# Allegro board BeagleBone AI -64_PCB_V1.02_211119.brd (continued)
## Routing (per net, layer and track width the routed paths; a pad name or vN(x,y) marks a point on that pad's centre or on a via; arc(x,y) is an arc through that point) (continued)
RT_LM5141: length 1.7
  BOTTOM w0.203: R59.1 15.26,14.69 15.41,14.54 U3.4
RX_CLK: length 1.7
  TOP w0.165: R216.2 -26.22,32.59 -26.28,32.65 U15.32
RX_CTRL: length 3.6
  TOP w0.165: R205.2 -26.86,36.95 R204.2 R195.1 -28.59,36.45 -28.72,36.32 U15.38
RX_D0: length 1.7
  TOP w0.165: U15.33 -26.37,33.15 -26.22,33.29 R215.2
RX_D1: length 1.8
  TOP w0.165: R214.2 -25.87,33.95 -26.14,33.68 -26.16,33.68 -26.2,33.65 U15.34
RX_D2: length 1.9
  TOP w0.165: R213.2 -25.87,34.73 -26.45,34.15 U15.35
RX_D3: length 2
  TOP w0.165: R212.2 -25.87,35.49 -26.71,34.65 U15.36
RXD: length 2
  TOP w0.165: U31.6 51.1,39.79 51.16,39.73 v1(51.16,39.47)
  BOTTOM w0.165: R373.2 50.98,39.98 51.18,39.78 51.18,39.55 51.16,39.52 v1(51.16,39.47)
SD_CLK: length 23.7
  TOP w0.165: v1(-28.62,54.87) -28.88,54.87 -29.79,55.78 D23.2 -30.18,55.42 J12.5
  BOTTOM w0.165: R122.2 -21.13,47.86 -21.37,48.1 -22.08,48.1 -22.24,47.93 -22.24,47.49 -22.41,47.32 -22.74,47.32 -22.9,47.49 -23.55,47.49 -23.74,47.3 -23.74,46.23 -23.9,46.08 -24.38,46.08 -24.61,46.31 -24.61,48.41 -24.43,48.59 -23.9,48.59 -23.56,48.92 -23.56,49.58 -24.53,50.55 -24.53,52.45 -25.27,53.19 -26.26,53.19 -26.57,53.49 -26.92,53.49 -27.24,53.18 -27.85,53.18 -28.17,53.51 -28.17,54.42 v1(-28.62,54.87)
SD_DAT0: length 5.4
  TOP w0.165: R198.2 -28.16,54.02 -28.54,53.65 -29.05,53.65 -29.43,54.03 R188.2 -29.62,53.87 D28.2 -30.08,53.19 -30.11,53.22 J12.7
SD_DAT1: length 4.5
  TOP w0.165: J12.8 -30.11,52.12 -30.08,52.15 D29.2 -29.43,51.97 R189.2 R190.2
SD_DAT2: length 6.5
  TOP w0.165: -27.91,59.75 R201.2 ; -27.91,59.75 -27.91,59.77 -28.37,60.22 -29.16,60.22 D25.2 -30.08,59.77 -30.14,59.82 J12.1 ; -27.91,59.75 -27.51,60.15 -27.11,60.15 -26.71,59.75 R207.2
SD_DAT3: length 6.6
  TOP w0.165: R208.2 -26.71,58.79 -27.09,59.16 -27.54,59.16 -27.91,58.79 ; -27.91,58.79 R202.2 ; -27.91,58.79 -28.33,59.21 -29.16,59.21 D26.2 -30.08,58.75 -30.26,58.93 -30.57,58.93 -30.78,58.72 J12.2
SERDES0_REXT: length 0.6
  TOP w0.229: U19.AE18 -8.69,57.19 v1(-9.09,57.59)
SERDES1_REXT: length 0.6
  TOP w0.229: U19.AE13 -4.69,57.19 v1(-4.29,57.59)
SERDES2_REXT: length 1.2
  TOP w0.229: v1(-4.29,56.79) -4.69,56.39 U19.AD13
  BOTTOM w0.254: v1(-4.29,56.79) -4.34,56.83 R97.1
SERDES3_REXT: length 0.6
  TOP w0.229: v1(-0.29,57.59) -0.29,57.58 U19.AE8
SERDES4_REXT: length 0.6
  TOP w0.229: v1(-1.09,41.58) -1.49,41.98 U19.F9
SOC_EMU0: length 35.5
  TOP w0.229: v1(-15.49,39.18) -15.09,39.58 U19.C26
  L5-SIGNAL w0.102: v1(-34.66,36.09) -34.38,35.81 -33.69,35.81 -32.26,37.24 -27.58,37.24 -26.7,36.36 -25.89,36.36 -25.62,36.09 -22.56,36.09 -21.64,37.01 -19.53,37.01 v1(-19.25,36.72)
  L12-SIGNAL w0.102: v1(-15.49,39.18) -16.78,37.9 -18.54,37.9 -19.25,37.19 v1(-19.25,36.72)
  BOTTOM w0.165: v1(-34.66,36.09) -34.97,35.79 -36.45,35.79 -38.68,38.03 R228.2 -39.73,40.22 -40.51,41 v1(-43.83,41)
SOC_EMU1: length 34.5
  TOP w0.229: U19.B29 -17.49,38.78 v1(-17.89,38.38)
  L5-SIGNAL w0.102: v1(-36.19,36.3) -35.88,36.6 -33.22,36.6 -32.35,37.47 -26.38,37.47 -25.95,37.03 -24.5,37.03 -23.79,36.32 -23.29,36.32 -22.6,37.01 -21.96,37.01 -21.6,37.38 -18.9,37.38 v1(-17.89,38.38)
  BOTTOM w0.165: v1(-43.76,44.81) -42.39,43.44 R229.2 -38.68,42.19 -37.59,41.1 -37.59,37.7 v1(-36.19,36.3)
SOC_INT1Z: length 32.5
  TOP w0.229: U19.AC18 -8.69,55.59 v1(-9.09,55.99)
  L12-SIGNAL w0.102: v1(-9.09,55.99) -8.7,56.38 -5.33,56.38 -4.52,57.19 -4.13,57.19 -3.88,57.44 -3.88,57.75 -3.65,57.98 -2.53,57.98 -2.28,57.74 -2.28,57.42 -2.04,57.18 -1.73,57.18 -1.48,56.94 -1.48,56.62 -1.24,56.38 -0.13,56.38 0.1,56.15 0.1,55.84 0.35,55.59 2.27,55.59 2.52,55.84 2.52,56.15 2.75,56.38 5.5,56.38 7.14,54.74 14.27,54.74 14.62,55.1 14.62,56.15 14.84,56.36 14.84,58.35 v1(14.13,59.06)
SOC_INT2Z: length 3.7
  TOP w0.165: U19.F29 -17.78,41.69 -19.61,41.69 -20.3,41 -20.32,41 -20.59,40.73 R272.2
  TOP w0.229: -17.49,41.98 U19.F29 -17.49,41.98
SOC_PORZ_OUT: length 25
  TOP w0.229: v1(5.31,51.19) 4.91,50.79 U19.U1
  BOTTOM w0.165: v1(5.31,51.19) 6.48,51.19 7.8,49.86 7.8,37.36 8.44,36.73 11.84,36.73 13.06,35.51 13.06,32.95 13.19,32.82 R68.1
SOC_RESET_REQZ: length 5.4
  TOP w0.229: U19.C28 -16.69,39.58 v1(-17.09,39.18)
  L3-SIGNAL w0.102: v1(-17.72,35.5) -17.72,36.04 -17.09,36.67 v1(-17.09,39.18)
  BOTTOM w0.165: R104.1 -17.44,35.2 -17.72,35.49 v1(-17.72,35.5)
SOC_SAFETY_ERRZ: length 49.6
  TOP w0.165: v1(44.13,58.52) 44.13,58.51 U30.46
  TOP w0.229: U19.U4 2.91,51.18 v1(2.91,51.19)
  L10-SIGNAL w0.102: v1(44.13,58.52) 41.72,56.11 37.37,56.11 36.84,55.58 34.25,55.58 33.23,56.59 32.34,56.59 32.01,56.92 18.37,56.92 17.63,57.66 16.27,57.66 15.87,57.25 14.08,57.25 13.87,57.46 12.12,57.46 11.82,57.15 11.31,57.15 10.98,57.48 7.83,57.48 7.12,56.77 7.12,53.67 5.83,52.38 4.35,52.38 4.1,52.14 4.1,51.82 3.87,51.59 3.56,51.59 3.15,51.19 v1(2.91,51.19)
SOC_SERDES1_REFCLK_N: length 8.4
  TOP w0.119: v1(-5.89,57.59) -5.49,57.19 U19.AE14
  BOTTOM w0.106: v1(-5.89,57.59) -5.89,57.83 arc(-5.86,57.9) -5.78,57.93 -5.72,57.93 arc(-5.64,57.9) -5.61,57.83 arc(-5.59,57.75) -5.54,57.7 -5.51,57.7 arc(-5.44,57.71) -5.38,57.75 -5.1,58.03 arc(-5.06,58.09) -5.04,58.17 -5.04,58.45 -5.15,58.55 -5.25,58.55 -5.35,58.66 -5.35,58.87 -5.25,58.98 -5.15,58.98 -5.04,59.08 -5.04,59.99 -5.15,60.09 -5.37,60.09 -5.48,60.2 -5.48,60.41 -5.37,60.52 -5.15,60.52 -5.04,60.62 -5.04,61.3 arc(-4.98,61.6) -4.82,61.86 -4.56,62.11 arc(-4.51,62.19) -4.49,62.28 -4.49,62.39 -4.2,62.68 -4.2,62.84 -4.41,63.05 R95.1
SOC_SERDES1_REFCLK_P: length 8.5
  TOP w0.119: v1(-6.69,56.79) -6.29,56.39 U19.AD15
  BOTTOM w0.106: R93.1 -3.71,63.06 -3.93,62.84 -3.93,62.57 -4.23,62.28 -4.23,62.28 arc(-4.26,62.08) -4.37,61.92 -4.63,61.67 arc(-4.74,61.5) -4.78,61.31 -4.78,58.07 arc(-4.79,57.98) -4.85,57.91 -5.38,57.38 arc(-5.61,57.22) -5.87,57.17 -6.04,57.17 arc(-6.29,57.12) -6.5,56.98 v1(-6.69,56.79)
SOC_TCK: length 30.8
  TOP w0.114: v1(-40.86,38.99) -42.23,40.36 -44.41,40.36 J11.4
  TOP w0.165: R165.2 -40.68,38.81 v1(-40.86,38.99)
  TOP w0.229: v1(-17.89,40.78) -17.49,41.18 U19.E29
  L3-SIGNAL w0.102: v1(-22.73,38.48) -22.55,38.48 -21.75,39.28 -19.82,39.28 -18.32,40.78 v1(-17.89,40.78)
  L5-SIGNAL w0.102: v1(-40.86,38.99) -40.57,39.28 -27.41,39.28 -27.2,39.07 -26.36,39.07 -25.77,38.48 v1(-22.73,38.48)
SOC_TDI: length 137.7
  TOP w0.229: U19.V1 5.31,51.98 v1(5.31,51.99)
  L10-SIGNAL w0.102: v1(14.1,33.07) 14.43,32.74 14.43,30.27 14.42,30.25 14.42,29.95 14.43,29.94 14.43,27.28 15.58,26.14 15.58,18.42 14.81,17.65 14.81,14.4 14.26,13.85 v1(14.26,8.33) ; v1(-43.78,42.27) -41.78,40.26 -41.78,37.24 -39.9,35.37 -39.9,29.36 -38.99,28.46 -38.99,18.05 v1(-37.53,16.59)
  L12-SIGNAL w0.102: v1(-37.53,16.59) -36.01,16.59 -34.87,15.44 -33.55,15.44 -32.89,16.11 -30.45,16.11 -29.86,15.52 -28.11,15.52 -27.58,16.05 -24.83,16.05 -24.23,16.66 -23.03,16.66 -22.42,16.05 -16.71,16.05 -15.34,14.68 -8.5,14.68 -8.02,14.2 -5.56,14.2 -5.02,13.67 -4.13,13.67 -1.21,10.75 1.24,10.75 3.2,8.79 3.2,8.36 3.41,8.15 5.31,8.15 6.08,8.92 11.08,8.92 11.66,8.33 v1(14.26,8.33)
  BOTTOM w0.114: 6.13,51.97 6.11,51.99 v1(5.31,51.99)
  BOTTOM w0.165: 6.13,51.97 6.79,51.97 8.49,50.27 8.49,37.9 8.95,37.44 12.18,37.44 14,35.62 14,33.59 14.1,33.5 v1(14.1,33.07)
SOC_TDO: length 127.9
  TOP w0.229: v1(3.71,51.99) 3.71,51.98 U19.V3
  L5-SIGNAL w0.102: v1(12.12,11.69) 11.71,12.1 7.89,12.1 5.01,14.99 -1.19,14.99 -2.2,13.97 -17.32,13.97 -17.98,14.63 -23.79,14.63 -23.93,14.49 -25.32,14.49 -25.74,14.91 -26.73,14.91 -27.1,14.54 -36.42,14.54 v1(-37.19,15.31)
  L10-SIGNAL w0.102: v1(-43.78,39.73) -43.73,39.68 -42.67,39.68 -42.01,39.02 -42.01,37.15 -40.2,35.35 -40.2,29.34 -39.22,28.36 -39.22,17.35 v1(-37.19,15.31) ; v1(12,31.29) 12,27.89 10.95,26.85 10.95,24.51 12.2,23.27 12.2,16.71 11.84,16.35 11.84,15.31 12.12,15.03 v1(12.12,11.69)
  BOTTOM w0.114: v1(3.71,51.99) 4.1,51.6 4.1,51.35 4.1,51.35 4.1,50.93 4.45,50.57 6,50.57 6.3,50.27
  BOTTOM w0.165: 6.3,50.27 7.14,49.43 7.14,35.11 7.71,34.55 10.57,34.55 12,33.12 v1(12,31.29)
SOC_TMS: length 157.6
  TOP w0.114: J11.2 -44.42,44.17 -43.18,44.17 -42.82,44.53 -42.82,47.86 -42.03,48.64 v1(-41.04,48.64)
  TOP w0.229: v1(4.51,51.99) 4.11,51.59 U19.V2
  L10-SIGNAL w0.102: v1(-37.08,16.03) -37.08,16.69 -38.75,18.37 -38.75,28.55 -39.67,29.47 -39.67,35.46 -41.55,37.34 -41.55,48.13 v1(-41.04,48.64) ; v1(16.33,6.72) 15.35,6.72 13.62,8.45 13.62,16.26 14.28,16.92 14.28,20.04 13.62,20.7 13.62,23.57 14.15,24.11 14.15,26.3 13.52,26.93 13.52,31.52 v1(13.75,31.75)
  L12-SIGNAL w0.102: v1(-37.08,16.03) -35.83,16.03 -34.3,14.49 -23.04,14.49 -22.9,14.63 -20.21,14.63 -19.35,13.77 -9.78,13.77 -8.63,12.61 -4.38,12.61 -1.57,9.81 0.85,9.81 2.27,8.39 2.27,7.98 3.79,6.45 7.72,6.45 8.38,7.11 14.64,7.11 15.03,6.72 v1(16.33,6.72)
  BOTTOM w0.114: 5.67,51.57 4.9,51.57 4.51,51.96 v1(4.51,51.99)
  BOTTOM w0.165: 5.67,51.57 6.63,51.57 8.13,50.06 8.13,37.7 8.72,37.11 12.05,37.11 13.67,35.49 13.67,32.25 13.75,32.18 v1(13.75,31.75) ; v1(-41.04,48.64) -40.56,48.64 -40.33,48.87 R160.2
SOC_TRST#: length 44.4
  TOP w0.165: J11.9 -43.07,43.54 -42.28,44.32 v1(-42.28,47.47)
  TOP w0.229: U19.F24 -13.89,41.58 v1(-13.89,41.58)
  L3-SIGNAL w0.102: v1(-13.89,41.58) -14.25,41.94 -14.78,41.94 -15.13,42.29 -15.13,42.53 -15.38,42.78 -20.17,42.78 -20.37,42.57 -22.52,42.57 -22.97,42.13 -26.56,42.13 -28.18,43.74 -29.31,43.74 -30.5,42.55 v1(-30.91,42.55)
  L5-SIGNAL w0.102: v1(-30.91,42.55) -31.31,42.55 -31.38,42.61 -34.42,42.61 -34.89,43.08 -41.45,43.08 -42.28,43.92 v1(-42.28,47.47)
  BOTTOM w0.165: R159.1 -38.87,48.43 -39.17,48.13 -41.62,48.13 v1(-42.28,47.47)
SOC_WAKE: length 25.6
  TOP w0.165: R169.2 -35.54,44.39 v1(-35.55,44.38) -35.9,44.03 U11.4
  TOP w0.229: U19.G25 -14.69,42.38 v1(-14.69,42.38)
  L5-SIGNAL w0.102: v1(-35.55,44.38) -34.51,43.33 -33.93,43.33 -33.19,44.07 -32.52,44.07 -32.44,44.15 -31.08,44.15 -30.98,44.25 -30.84,44.25 -30.79,44.3 v1(-30.38,44.3)
  L12-SIGNAL w0.102: v1(-14.69,42.38) -15.09,42.78 -15.09,43.29 -15.34,43.54 -19.47,43.54 -19.93,43.08 -22.07,43.08 -22.36,43.37 -25.76,43.37 -25.99,43.6 -25.99,44.11 -26.18,44.3 -27.24,44.3 -27.43,44.11 -29.4,44.11 -29.53,44.25 -29.94,44.25 -29.99,44.3 v1(-30.38,44.3)
SS: length 2
  BOTTOM w0.165: C19.1 40.94,13.37 U1.11
SS_1V1: length 3.5
  TOP w0.203: U18.7 6.9,26.46
  TOP w0.254: 6.9,26.46 6.05,25.6 5.2,25.6 4.84,25.25 C544.1
SS_2V5: length 1.5
  TOP w0.203: U9.7 -19.79,21.08 -19.23,21.64 C539.1
SS_LM5141: length 1.8
  BOTTOM w0.203: U3.22 18.14,11.55 17.93,11.35
  BOTTOM w0.305: C96.1 17.93,11.35
SW_LM5141: length 0
  TOP w0.203: Q3.3 v1(26.36,19)
  vias: v1(21.85,18.16) v1(21.88,18.67) v1(21.9,17.65) v1(22.44,18.17) v1(22.43,17.58) v1(22.46,18.67) v1(23.15,17.6) v1(23.2,18.7) v1(23.2,18.19) v1(23.76,17.58) v1(23.81,18.7) v1(23.81,18.14) v1(26.37,20.12) v1(26.37,19.61) v1(26.9,20.12) v1(26.96,19.58) v1(27.01,18.98) v1(27.44,20.02) v1(27.67,19.56) v1(27.66,18.98) v1(28.25,19.56) v1(28.2,19) v1(28.76,19.08) v1(28.86,19.56)
SW_RESET: length 11.1
  BOTTOM w0.165: U8.1 -38.15,53.05 -38.5,52.71 -40.24,52.71 -42.73,50.21 SW3.4 SW3.2
SYS_MCU_EN: length 161.6
  TOP w0.165: v1(-35.99,48.97) -35.52,48.97 TP7.1 -33.02,47.22 -32.7,46.9 U16.4 ; R1.1 47.43,43 48.56,41.86 v1(48.95,41.86)
  L5-SIGNAL w0.102: v1(35.29,8.38) 35.62,8.71 36.23,8.71 36.76,8.18 39.95,8.18 40.79,9.02 40.79,9.13 43.36,11.71 43.9,11.71 45.73,13.54 45.73,20.46 50.37,25.1 50.37,34.93 50.68,35.23 50.68,37.03 49.41,38.3 49.41,39.83 48.95,40.29 v1(48.95,41.86)
  L10-SIGNAL w0.102: v1(-33.74,16.14) -33.74,16.8 -35.86,18.92 -35.86,20.37 -35.4,20.83 -35.4,26.04 -37.03,27.66 -37.03,30.18 -37.39,30.54 -37.39,36.61 -37.64,36.86 -37.64,41.22 -36.49,42.36 -36.49,44.83 -36.34,44.99 -36.34,48.62 v1(-35.99,48.97)
  L12-SIGNAL w0.102: v1(-33.74,16.14) -33.34,16.14 -33.13,16.36 -30.6,16.36 -29.56,17.4 -19.93,17.4 -18.56,18.77 -15.26,18.77 -13.73,17.24 -12.36,17.24 -10.99,15.88 -5.43,15.88 -4.32,14.77 -3.92,14.77 -0.96,11.81 1.47,11.81 2.69,10.59 7.09,10.59 7.27,10.77 9.26,10.77 9.34,10.85 9.89,10.85 10.32,10.42 21.44,10.42 21.88,10.85 27.67,10.85 29.72,8.79 34.88,8.79 v1(35.29,8.38)
SYS_MCU_PWRDN: length 16.8
  TOP w0.165: v1(-28.57,41.61) -28.59,41.63 R192.1 -29.12,41.33 U14.1
  TOP w0.229: U19.E25 -14.29,41.18 v1(-14.69,40.78)
  L12-SIGNAL w0.102: v1(-28.57,41.61) -28.14,41.17 -25.14,41.17 -24.99,41.02 -21.45,41.02 -21.43,41 -19.86,41 -19.4,41.46 -18.39,41.46 -18.08,41.15 -15.06,41.15 v1(-14.69,40.78)
T23_LED_USR0: length 171.4
  TOP w0.165: R368.1 52.01,33.47 v1(51.87,33.33)
  TOP w0.229: U19.T23 v1(-13.09,49.58)
  L5-SIGNAL w0.102: v1(51.87,33.33) 50.6,32.06 50.6,25.01 47.76,22.16 47.76,11.53 46.44,10.21 43.43,10.21 41.44,8.22 40.31,8.22 39.23,7.14 35.95,7.14 34.37,8.71 32.62,8.71 v1(31.86,7.95)
  L8-PWR/GND w0.127: v1(-32.58,15.72) -32.58,16.44 -33.7,17.55 -33.7,18.8 -32.28,20.22 -32.28,20.91 -33.22,21.85 -33.22,26.21 -34,27 -34,38.03 -34.22,38.24 -34.22,40.2 -34.54,40.51 -34.54,41.22 -33.39,42.36 -33.39,45.75 -33.04,46.1 -32.76,46.1 -32.56,46.31 -32.56,47.63 -30.89,49.29 -30.31,49.29 v1(-29.91,49.68)
  L12-SIGNAL w0.102: v1(-32.58,15.72) -32.15,15.29 -27.96,15.29 -27.45,15.8 -24.63,15.8 -24.07,16.36 -23.06,16.36 -22.5,15.8 -16.86,15.8 -15.51,14.45 -9.14,14.45 -8.66,13.97 -5.71,13.97 -5.14,13.4 -4.19,13.4 -1.31,10.52 1.15,10.52 2.97,8.7 2.97,8.27 3.32,7.92 5.41,7.92 6.15,8.66 11.01,8.66 11.71,7.96 14.57,7.96 14.79,8.18 16.03,8.18 16.82,7.39 19.34,7.39 21.44,9.5 27.69,9.5 29.67,7.52 31.43,7.52 v1(31.86,7.95) ; v1(-13.09,49.58) -13.09,49.96 -13.62,50.5 -20.16,50.5 -20.31,50.34 -22.17,50.34 -22.19,50.37 -29.23,50.37 v1(-29.91,49.68)
T_USB1_DN2_D_N: length 10.7
  BOTTOM w0.13: J8.11 -10.92,8.63 -11.05,8.5 -11.05,8.13 -10.61,7.7 -9.77,7.7 -9.18,8.29 -9.18,8.78 -10.24,9.85 -10.24,10.91 -10.37,11.04 -10.66,11.04 -10.79,11.17 -10.79,11.43 -10.66,11.56 -10.37,11.56 -10.24,11.69 -10.24,12.12 D15.3 -10.55,12.42 L8.2
T_USB1_DN2_D_P: length 10.8
  BOTTOM w0.13: L8.3 -9.7,12.39 D15.2 -9.98,12.12 -9.98,9.96 -8.91,8.89 -8.91,8.18 -9.66,7.43 -10.72,7.43 -11.31,8.02 -11.31,8.5 -11.44,8.63 J8.12
T_USB1_SSRX_DN2_N: length 4.9
  BOTTOM w0.13: L10.2 -14.6,12.4 D17.3 -14.31,12.11 -14.31,10.25 -14.44,10.13 J8.14
T_USB1_SSRX_DN2_P: length 4.9
  BOTTOM w0.13: L10.3 -13.75,12.42 D17.2 -14.05,12.12 -14.05,10.25 -13.92,10.13 J8.15
T_USB1_SSTX_DN2_N: length 4.9
  BOTTOM w0.13: L7.2 -8.46,12.37 D14.3 -8.2,12.12 -8.2,11.25 -8.3,11.15 -8.3,10.27 -8.44,10.13 J8.17
T_USB1_SSTX_DN2_P: length 4.9
  BOTTOM w0.13: L7.3 -7.61,12.44 D14.2 -7.94,12.12 -7.94,11.14 -8.03,11.04 -8.03,10.24 -7.92,10.13 J8.18
TPS2561_ILIM: length 3
  BOTTOM w0.165: R86.1 2.09,9.03 2.09,10.64 2.23,10.78 U4.7
TPS62813_COMP: length 1.8
  TOP w0.254: R344.1 35.91,41.8 U28.7
TPS62813_FB: length 3.6
  TOP w0.305: U28.5 37.01,42.3 R346.1 R348.2 C504.2
TPS62813_PG: length 2
  TOP w0.165: R347.2 36.75,37.88 36.46,38.18 U28.9
TPS62813_SS: length 1.2
  TOP w0.254: C495.1 36.46,42.26 U28.6
TX_CLK: length 6.9
  TOP w0.165: U15.29 -22.34,31.15 -21.9,31.58 R248.2
TX_CTRL: length 9.7
  TOP w0.165: v1(-23.62,32.06) -23.62,32.13 -23.33,32.41 R230.2 ; U15.37 -28.22,35.55 -27.75,36.02 -26.56,36.02 -26.54,35.99 v1(-26.1,35.99)
  BOTTOM w0.165: v1(-23.62,32.06) -24.04,32.06 -24.07,32.08 -25.72,32.08 -26.41,32.76 -26.41,35.69 v1(-26.1,35.99)
TX_D0: length 8.6
  TOP w0.165: U15.28 -21.31,30.65 -20.72,31.24 -20.72,32.48 -20.51,32.69 R275.2
TX_D1: length 8.9
  TOP w0.165: v1(-21.1,30.25) -21.53,30.25 -21.59,30.19 -23.14,30.19 -23.19,30.15 U15.27 ; R249.2 v1(-21.19,31.62)
  BOTTOM w0.165: v1(-21.19,31.62) -21.19,30.76 -21.1,30.68 v1(-21.1,30.25)
TX_D2: length 8
  TOP w0.165: U15.26 -23.25,29.65 -23.25,29.65 v1(-22.64,29.65) ; v1(-22.5,31.68) -22.5,32.11 -22.64,32.25 R237.2
  BOTTOM w0.165: v1(-22.5,31.68) -22.5,30.22 -22.64,30.08 v1(-22.64,29.65)
TX_D3: length 7
  TOP w0.165: U15.25 v1(-24.06,29.15) ; R225.2 v1(-24.05,31.63)
  BOTTOM w0.165: v1(-24.06,29.15) -24.06,29.51 -24.05,29.52 v1(-24.05,31.63)
TXD: length 2.9
  TOP w0.165: U31.5 51.6,39.64 51.62,39.62 v1(51.62,38.97)
  BOTTOM w0.165: R375.2 51.67,39.14 51.62,39.09 v1(51.62,38.97)
TYPEC_VBUS_5V: length 15.5
  TOP w0.381: v1(47.22,5.31) 47.22,4.52 47.61,4.14 R306.1
  L3-SIGNAL w0.381: v1(47.22,5.31) 47.77,5.31 49.09,6.63 51.64,6.63 52.28,7.27 52.28,8.54 v1(51.49,9.32)
  BOTTOM w0.254: J5.A9 v1(36.17,4.45) ; J5.A4 38.67,4.5 v1(38.61,4.45)
  BOTTOM w0.381: v1(36.17,4.45) 36.22,4.4 J5.B4 ; v1(38.61,4.45) 38.62,4.44 J5.B9 ; C21.1 46.51,6.02 v1(47.22,5.31) ; R354.1 R355.1 v1(51.49,9.32)
  vias: v1(43.72,5.13) v1(43.69,4.62) v1(44.23,5.11) v1(44.23,4.6)
U2_AF28: length 112.3
  L5-SIGNAL w0.102: v1(13.72,24.44) 13.37,24.79 12.58,24.79 12.4,24.61 4.1,24.61 3.69,25.02 3.69,25.5 2.8,26.39 -0.37,26.39 -2.18,24.59 -10.16,24.59 -11.07,25.5 -14.66,25.5 v1(-15.06,25.1) -16,25.1 -17.11,23.98 -31.95,23.98 -33.7,25.73 -35.48,25.73 -36.09,26.34 -37.1,26.34 v1(-37.59,25.86)
  L8-PWR/GND w0.127: v1(-24.18,60.23) -25,60.23 -25.13,60.36 -27.05,60.36 -27.27,60.14 -30.35,60.14 -32.82,57.67 -32.82,50.61 -35.07,48.36 -35.07,42.16 -37.46,39.77 -37.46,32.39 -38.22,31.62 -38.22,28.2 -37.15,27.13 -37.15,26.29 v1(-37.59,25.86)
  L10-SIGNAL w0.102: v1(13.72,24.44) 13.29,24.87 13.29,31.03 12.82,31.5 12.71,31.5 v1(12.43,31.78)
  BOTTOM w0.165: 12.43,32.18 v1(12.43,31.78) ; v1(-15.06,25.1) -15.06,26.1 -14.85,26.31 P9.28 ; v1(-24.18,60.23) -23.88,60.53 -23.88,60.54 -23.39,61.04 -22.86,61.04 -22.83,61.06 R131.2
U2_SPI7_CS0: length 25.2
  TOP w0.229: U19.U2 4.11,50.79 v1(4.51,51.19)
  BOTTOM w0.114: v1(4.51,51.19) 4.9,50.8 6.33,50.8
  BOTTOM w0.165: 6.33,50.8 7.47,49.66 7.47,37.03 8.26,36.25 11.77,36.25 12.43,35.59 R69.1
U3_AB26: length 137.5
  TOP w0.165: R254.2 v1(-21.52,54.9)
  L5-SIGNAL w0.102: v1(17.1,19.23) 16.69,19.23 16.57,19.1 9.94,19.1 9.16,19.88 8.1,19.88 7.02,18.8 4.17,18.8 2.01,20.96 -2,20.96 -3.55,19.41 -24.17,19.41 v1(-24.66,18.92) ; v1(9.94,56.57) 11.16,55.34 12.12,55.34 12.38,55.6 v1(12.78,55.6)
  L8-PWR/GND w0.127: v1(-24.66,18.92) -24.66,20.98 -25.01,21.34 -26.56,21.34 -26.84,21.62 -26.84,26.7 -26.08,27.46 -26.08,27.92 -26.64,28.47 -26.64,30.18 -26.08,30.74 -26.08,32.23 -26.69,32.84 -26.69,37.16 -26.41,37.44 -26.41,37.9 -26.42,37.91 -26.42,39.61 -25.49,40.54 -25.49,42.8 -24.86,43.44 -24.86,44.22 -25.11,44.47 -25.11,44.48 -25.15,44.52 -25.15,46.14 -25.11,46.18 -25.11,46.23 -22.73,48.62 -22.73,48.95 -22.88,49.1 -22.88,51.56 -21.85,52.59 -21.85,54.57 v1(-21.52,54.9)
  L10-SIGNAL w0.102: v1(17.1,19.23) 17.84,19.97 17.84,22.79 17.08,23.55 v1(17.08,31.09)
  BOTTOM w0.165: R77.2 v1(9.94,56.57) ; v1(12.78,55.6) 12.78,53.93 9.89,51.03 9.89,42.01 15.91,35.99 15.91,32.69 17.08,31.52 v1(17.08,31.09) ; P9.31 -19.23,19.3 -19.5,19.03 -23.42,19.03 -23.52,18.92 v1(-24.66,18.92)
U3_SPI7_CLK: length 10.2
  TOP w0.229: v1(3.71,51.19) 3.31,50.79 U19.U3
  L10-SIGNAL w0.102: v1(9.25,57.02) 9.25,56.63 8.86,56.24 8.21,56.24 7.93,55.96 7.93,54.05 5.46,51.58 4.35,51.58 3.95,51.19 v1(3.71,51.19)
  BOTTOM w0.165: R77.1 v1(9.25,57.02)
U23_MCASP10_ACLKX: length 76.9
  TOP w0.165: U32.20 47.52,66.47 47.94,66.89 v1(47.94,67.34)
  TOP w0.229: U19.U23 -12.68,50.79 v1(-13.08,51.19)
  L10-SIGNAL w0.102: v1(47.94,67.34) 47.22,66.63 39.44,66.63 39.12,66.94 31.92,66.94 31.25,67.62 29.37,67.62 29.14,67.39 29.14,65.99 28.91,65.76 22.17,65.76 21.58,65.18 16.11,65.18 15.12,66.17 12.73,66.17 11.31,67.59 2.88,67.59 0.92,65.64 0.92,64.01 -0.53,62.56 -3.91,62.56 -4.26,62.21 -4.26,61.33 -5.53,60.06 -5.53,59.84 -5.74,59.63 -5.96,59.63 -6.25,59.34 -6.25,59.07 -6.58,58.75 -6.84,58.75 -7.05,58.54 -7.05,58.27 -7.37,57.95 -7.64,57.95 -8.65,56.94 -8.65,56.67 -8.98,56.35 -9.24,56.35 -9.45,56.14 -9.45,55.79 -9.7,55.55 -10.03,55.55 -10.25,55.34 -10.25,55 -10.5,54.75 -10.83,54.75 -11.05,54.54 -11.05,54.3 -11.4,53.95 -11.63,53.95 -11.91,53.68 -11.91,52.58 -12.08,52.4 -12.44,52.4 -12.72,52.12 -12.72,51.55 v1(-13.08,51.19)
U24_EHRPWM2_B: length 90.8
  TOP w0.229: v1(-13.88,51.19) -13.49,50.79 U19.U24
  L3-SIGNAL w0.102: v1(-29.91,48.87) -29.43,49.35 -27.56,49.35 -26.21,50.7 -23.28,50.7 -22.85,50.27 -22.85,49.73 -22.5,49.38 -21.63,49.38 -21.53,49.28 -20.14,49.28 -19.37,50.04 -15.03,50.04 v1(-13.88,51.19)
  L5-SIGNAL w0.102: v1(-30.63,18.94) -30.63,19.46 -30.73,19.55 -30.73,20.35 -30.25,20.83 -26.97,20.83 -26.46,20.32 -18.84,20.32 -16.58,22.58 -16.17,22.58 -15.44,21.85 -12.97,21.85 -11.17,23.65 0.26,23.65 0.59,23.98 v1(1.99,23.98)
  L8-PWR/GND w0.127: v1(-30.63,18.94) -30.63,19.36 -31.08,19.81 -31.08,20.98 -31.59,21.49 -31.59,22.71 -31.57,22.73 -31.57,26.57 -32.73,27.74 -32.73,35.03 -33.12,35.41 -33.12,37.61 -32.02,38.7 -32.02,44.86 -30.41,46.47 -30.41,48.38 v1(-29.91,48.87)
  BOTTOM w0.165: P9.16 1.09,24.87 v1(1.99,23.98)
U25_MCASP10_AXR3: length 89
  TOP w0.165: U32.16 v1(45.14,64.67)
  TOP w0.229: -14.29,50.79 v1(-14.68,51.19) -14.68,51.18 U19.U25 -14.29,50.79
  L5-SIGNAL w0.102: v1(38.87,71.76) 39.63,71.76 39.68,71.71 43.31,71.71 44.66,70.36 44.66,70.26 45.27,69.65 45.27,69.37 45.75,68.89 45.75,65.69 45.14,65.08 v1(45.14,64.67)
  L10-SIGNAL w0.102: v1(-14.68,51.19) -15.05,51.55 -16.37,51.55 -16.68,51.86 -16.68,54.51 -16.44,54.75 -16.19,54.75 -15.85,55.08 -15.85,55.34 -15.64,55.55 -15.39,55.55 -15.05,55.88 -15.05,56.14 -14.76,56.43 -14.54,56.43 -14.33,56.64 -14.33,56.86 -13.96,57.23 -13.74,57.23 -13.45,57.52 -13.45,60.56 -12.26,61.75 -11.2,61.75 -10.74,62.21 -10.74,63.36 -10.08,64.01 -8.78,64.01 -7.89,64.9 -5.91,64.9 -5.48,65.33 -5.48,66.99 -4.32,68.15 -3.55,68.15 -1.04,70.66 12.01,70.66 14.6,68.07 19.73,68.07 20.3,67.5 22.1,67.5 22.27,67.67 26.45,67.67 30.23,71.45 36.91,71.45 37.56,72.1 38.13,72.1 38.47,71.76 v1(38.87,71.76)
U26_MCASP10_AFSX: length 100.3
  TOP w0.165: U32.18 v1(46.14,64.71)
  TOP w0.229: U19.U26 -15.48,51.18 v1(-15.48,51.19)
  L5-SIGNAL w0.102: v1(46.14,64.71) 46.56,65.13 46.56,70.57 45.66,71.47 45.48,71.47 45.07,71.89 v1(45.07,74.22)
  L10-SIGNAL w0.102: v1(45.07,74.22) 45.04,74.19 45.04,74.08 44.24,73.28 29.78,73.28 28,71.5 28,70.54 26.14,68.68 25.18,68.68 25.15,68.66 21.96,68.66 21.72,68.42 20.68,68.42 19.96,69.14 15.43,69.14 12.94,71.63 -1.44,71.63 -3.27,69.8 -11.16,69.8 -13.02,67.95 -17.09,67.95 -17.7,67.34 -17.7,66.83 -18.79,65.74 -18.79,54.15 -18.69,54.05 -18.69,53.75 -18.79,53.65 -18.79,52.86 -18.74,52.81 -18.74,52.1 -17.47,50.83 -15.85,50.83 v1(-15.48,51.19)
U27_EHRPWM2_A: length 83.2
  TOP w0.229: v1(-16.28,51.19) -15.88,50.79 U19.U27
  L3-SIGNAL w0.102: v1(-16.28,51.19) -16.92,50.55 -20.03,50.55 -20.24,50.34 -21.77,50.34 -22.13,50.7 -22.63,50.7 -23.11,51.18 -26.49,51.18 -27.08,50.59 -30.05,50.59 -30.59,50.05 -30.88,50.05 -31.12,49.81 -31.12,48.68 -31.82,47.98 -31.82,45.06 -31.65,44.89 -31.54,44.89 v1(-31.25,44.6)
  L5-SIGNAL w0.102: v1(3.05,25.45) 2.39,26.11 -0.17,26.11 -1.92,24.36 -10.26,24.36 -11.16,25.27 -14.2,25.27 -15.74,23.73 -23.83,23.73 -25.13,22.43 -27.73,22.43 -28.15,22.85 -30.53,22.85 v1(-30.93,22.46)
  L10-SIGNAL w0.102: v1(-31.25,44.6) -30.83,44.18 -30.83,43.31 -31.29,42.85 -31.29,40.77 -30.96,40.44 -30.96,36.73 -31.11,36.58 -31.11,23.08 -30.93,22.9 v1(-30.93,22.46)
  BOTTOM w0.165: v1(3.05,25.45) 3.63,26.03 P9.14
U28_EHRPWM1_A: length 14
  TOP w0.229: -16.69,50.79 -16.68,50.79 U19.U28 -16.69,50.79 ; -16.69,50.79 v1(-17.08,51.19)
  L3-SIGNAL w0.102: v1(-17.08,51.19) -17.45,51.19 -17.65,51.39 -21.96,51.39 -22.08,51.51 -26.83,51.51 -27.09,51.77 -29.1,51.77 v1(-29.91,50.95)
U29_EHRPWM1_B: length 4
  TOP w0.165: R250.1 -20.73,51.63 -20.58,51.49 -18.19,51.49 U19.U29
  TOP w0.229: U19.U29 -17.48,50.79
U29_FB_B4: length 2.4
  TOP w0.254: U29.50 v1(40.07,30.55)
  BOTTOM w0.165: R18.1 39.97,29.88 39.78,29.69 39.62,29.69 39.24,29.3 R23.2
  BOTTOM w0.254: v1(40.07,30.55) 40.07,29.96 R18.1
U30_FB_B3: length 3.3
  TOP w0.305: v1(42.63,58.88) 42.63,57.88 U30.49
  BOTTOM w0.254: R15.2 41.45,57.36 42,57.91 R13.1 42.19,57.91 42.63,58.35 v1(42.63,58.88)
UART0_RXD: length 30.2
  TOP w0.165: U31.2 50.6,36.81 50.4,36.6 v1(50.07,36.6)
  L3-SIGNAL w0.102: v1(49.27,16.22) 48.7,16.79 48.7,22.38 50.02,23.7 50.02,29.12 49.61,29.53 49.61,35.71 50.07,36.17 v1(50.07,36.6)
  BOTTOM w0.165: v1(50.07,36.6) 50.07,37.03 50.17,37.13 R353.1 ; D4.2 v1(49.27,16.22) 51.04,14.44 51.42,14.44 J3.2
UART0_TXD: length 27.1
  TOP w0.165: v1(50.04,35.49) 51.1,36.54 U31.3
  L3-SIGNAL w0.102: v1(50.04,35.49) 50.04,35.08 50.3,34.82 50.3,23.66 48.98,22.33 48.98,17.45 v1(49.28,17.15)
  BOTTOM w0.165: D3.2 v1(49.28,17.15) 50.98,15.45 J3.3
USB0_DATA_N: length 89
  TOP w0.16: v1(2.11,60.79) 2.11,60.78 U19.AJ5
  L12-SIGNAL w0.122: v1(2.11,60.79) 2.11,61.22 arc(2.12,61.26) 2.15,61.3 2.23,61.38 arc(2.3,61.43) 2.39,61.45 2.83,61.45 3.07,61.22 3.32,61.22 3.56,61.45 3.81,61.45 4.05,61.22 4.3,61.22 4.54,61.45 4.79,61.45 5.03,61.22 5.28,61.22 5.52,61.45 5.95,61.45 6.07,61.33 6.07,61.19 6.2,61.06 6.44,61.06 6.56,61.19 6.56,61.33 6.69,61.45 8.62,61.45 9.7,60.37 12.17,60.37 12.54,60.73 14.12,60.73 14.36,60.49 14.36,59.73 14.77,59.31 16.53,59.31 16.97,58.86 16.97,58.37 17.63,57.71 18.69,57.71 21.04,55.36 21.04,54.7 21.53,54.21 23.39,54.21 25.19,52.4 26.79,52.4 27.6,51.59 27.6,51.2 27.48,51.08 27.38,51.08 27.26,50.95 27.26,50.71 27.38,50.59 27.48,50.59 27.6,50.46 27.6,50.22 27.48,50.1 27.38,50.1 27.26,49.97 27.26,49.73 27.38,49.61 27.48,49.61 27.6,49.48 27.6,48.12 28.07,47.65 28.07,45.52 27.57,45.01 27.57,41.72 28.1,41.19 28.1,40.43 27.74,40.07 27.74,39.47 28.27,38.94 28.27,33.33 28.02,33.09 28.02,30.1 24.92,27 24.92,21.12 24.31,20.51 24.31,17.97 25.27,17.02 28.19,17.02 29.27,15.94 29.27,12.23 31.11,10.39 34.56,10.39 35.56,11.38 35.96,11.38 36.1,11.24 36.1,11.07 v1(35.78,10.74)
  BOTTOM w0.13: L1.1 35.84,10.68 v1(35.78,10.74)
